# Altium PCB Main_Board.PcbDoc (part 10 of 19)
Units mil, origin at the board's own origin, x right, y up, seen from the top; angles counter-clockwise.
Board outline 5306 x 6610 mil, 12 copper layers ((L1) Top, (L2) Inner 1, (L3) Inner 2, (L4) Inner 3, (L5) Inner 4, (L6) Inner 5, (L7) Inner 6, (L8) Inner 7, (L9) Inner 8, (L10) Inner 9, (L11) Inner 10, (L12) Bottom), stack 94.81 mil thick; 347 components, 571 nets, 2611 pads, 4053 vias.
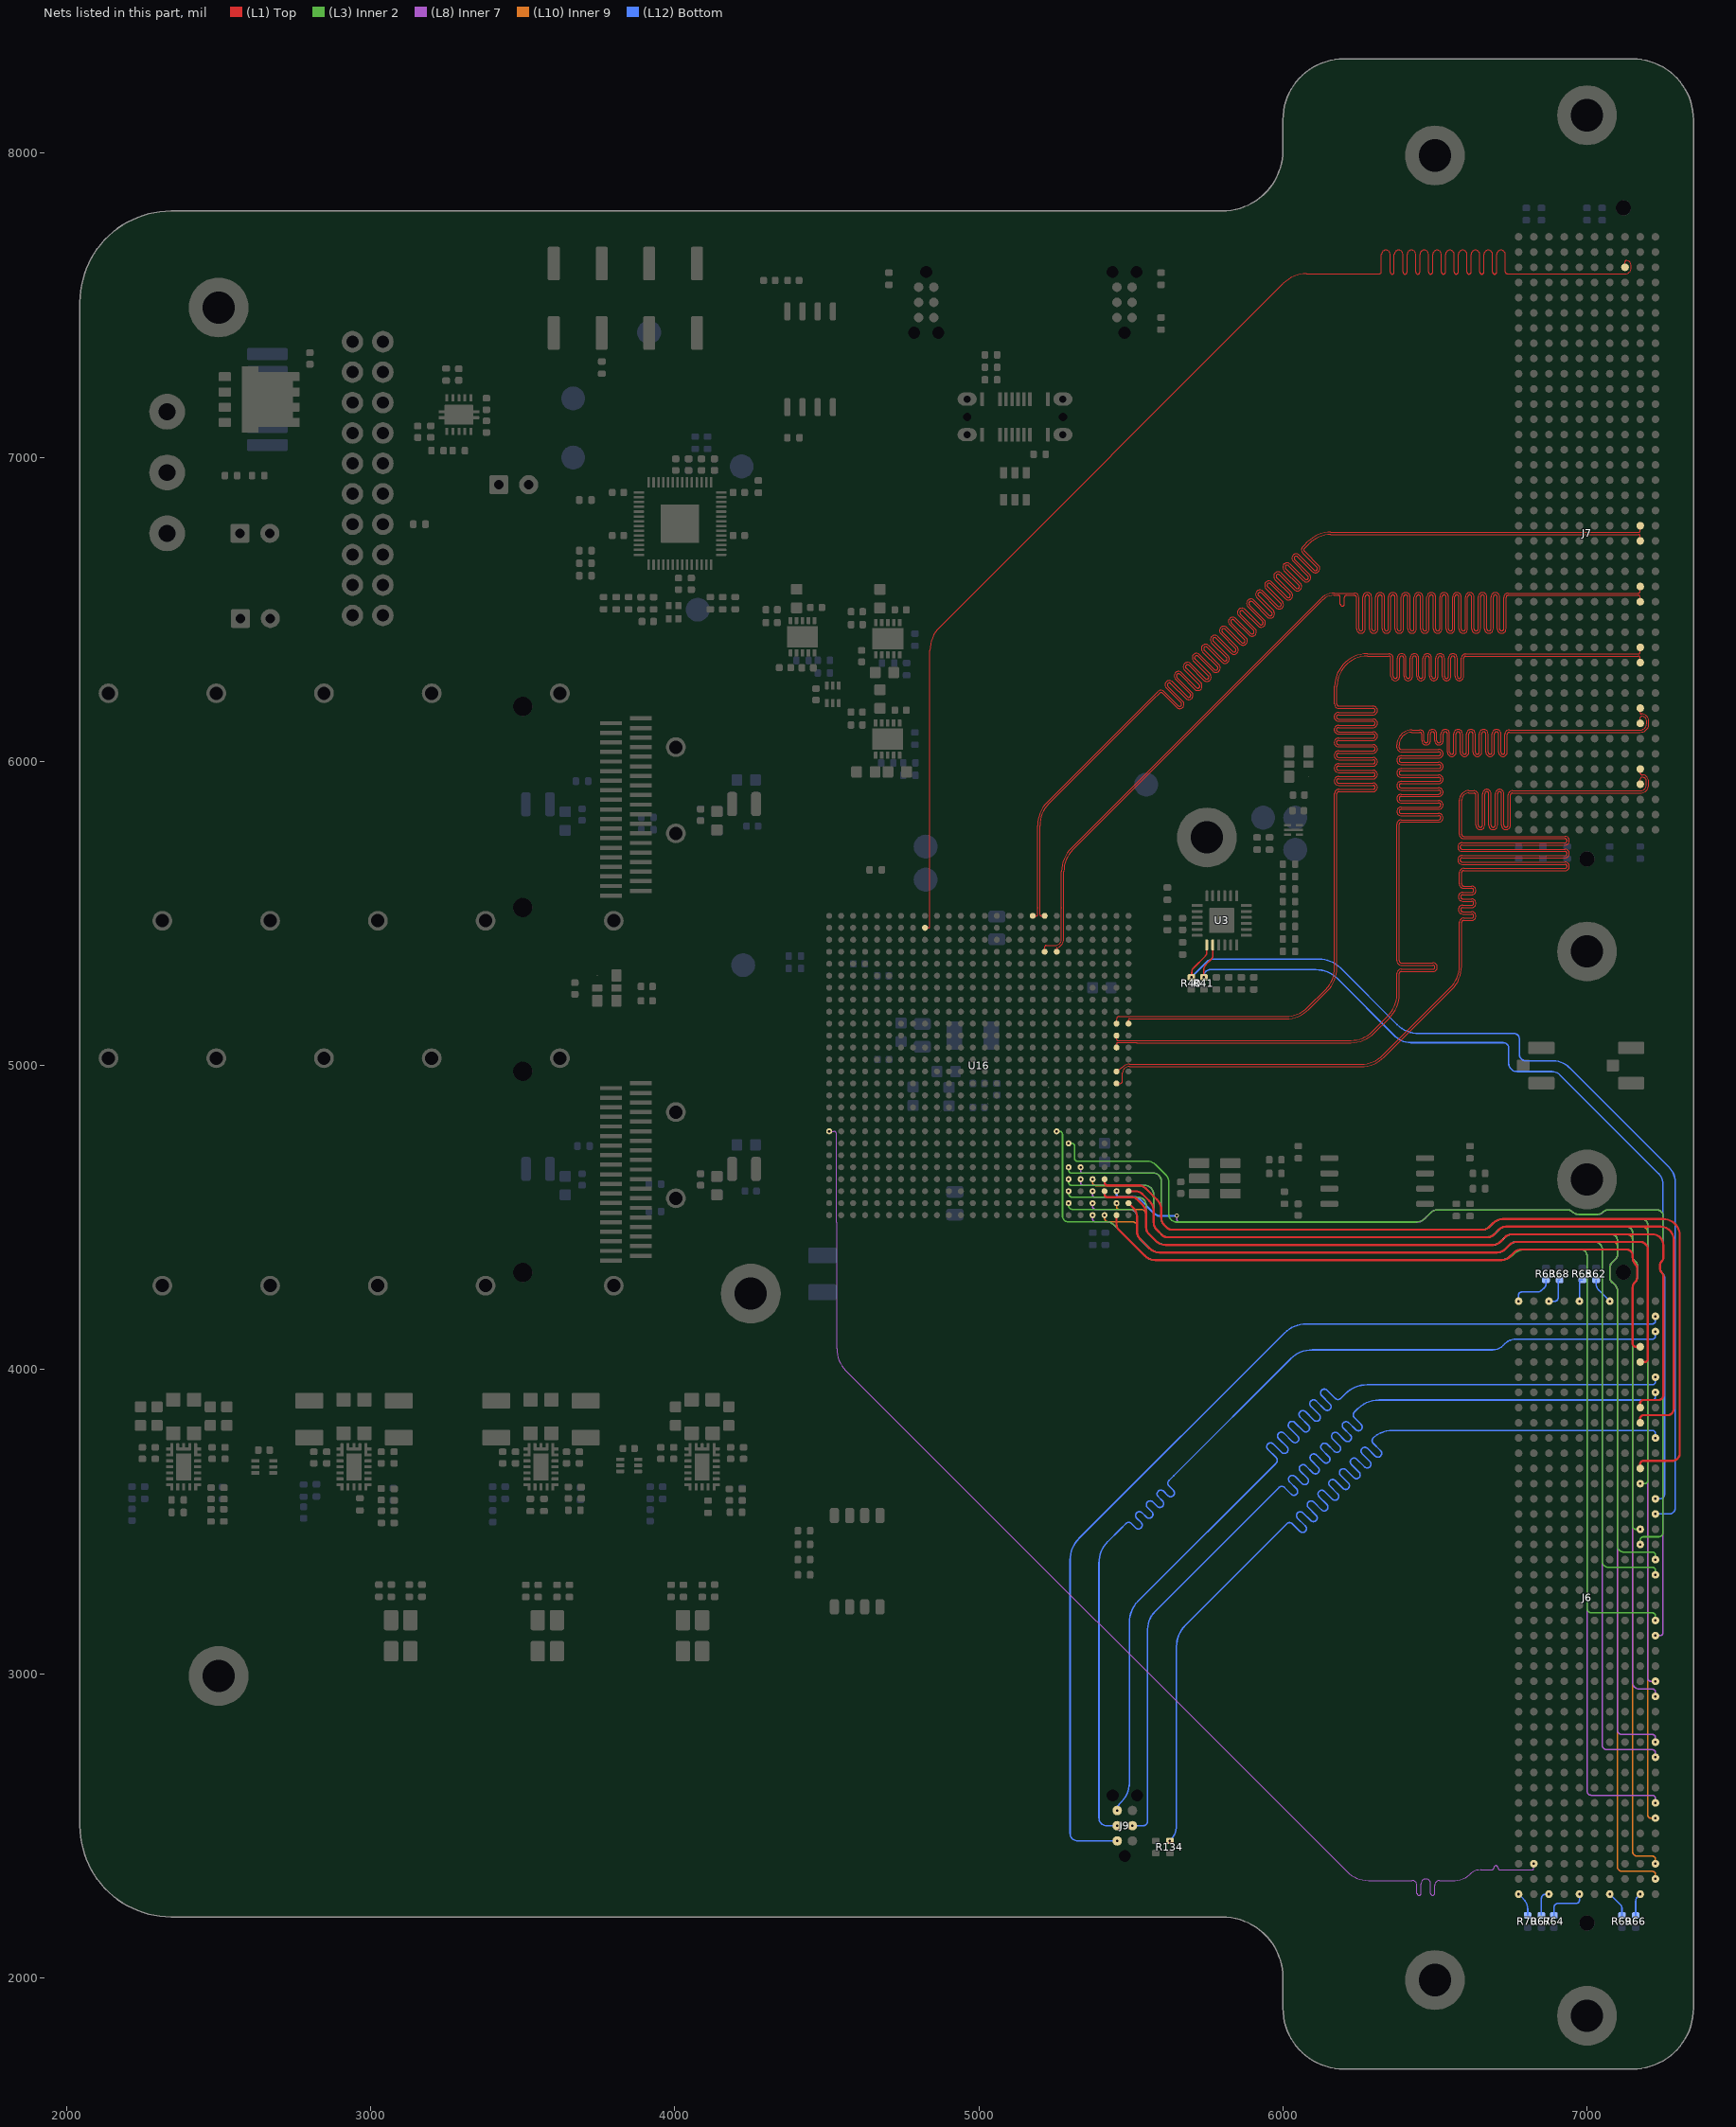
[diagram p20: the nets of this part, all layers, seen from the top]

## Via types
v1: diameter 13.78, hole 7.87, (L1) Top to (L12) Bottom, tented both sides, 4044 vias
v2: diameter 13.78, hole 7.87, (L1) Top to (L12) Bottom, tented bottom, 9 vias

## Nets (pads, with @x,y where several pads share a name; then routed paths per layer and width w, separated by ;. In a path a pad name is that pad's centre, name@x,y a point inside that pad or via, vN(x,y) a via of type N, cw(c..) or ccw(c..) an arc to the next point about the centre after c; other vN are vias at no path point) (continued)
HPCC_A_72_P: J6.J38 U16.W1 | length 3977.9
  (L8) Inner 7 w3.5: v1(4507.87,4783.46) 4523.13,4783.46 cw(c4523.13,4775.24) 4531.35,4775.24 4531.35,4483.77 ccw(c4533.83,4483.77) 4532.07,4482.02 ; 4532.08,4482.02 cw(c4530.32,4480.27) 4532.8,4480.27 4532.8,4068.62 ccw(c4632.8,4068.62) 4562.09,3997.91 6210.71,2349.29 ccw(c6281.42,2420) 6281.42,2320 6406.63,2320 6425.35,2320 cw(c6425.35,2304.45) 6440.9,2304.45 6440.9,2277.73 ccw(c6447.65,2277.73) 6454.4,2277.73 6454.4,2309.14 cw(c6469.95,2309.14) 6485.5,2309.14 6485.5,2277.73 ccw(c6492.25,2277.73) 6499,2277.73 6499,2304.45 cw(c6514.55,2304.45) 6514.55,2320 6520.7,2320 6565.72,2320 ccw(c6565.72,2388.28) 6614,2340 cw(c6649.73,2304.27) 6649.73,2354.8 6685.08,2354.8 6686.83,2354.8 ccw(c6686.83,2361.55) 6693.58,2361.55 6693.58,2361.83 cw(c6700.33,2361.83) 6707.08,2361.83 6707.08,2361.55 ccw(c6713.83,2361.55) 6713.83,2354.8 6724.08,2354.8 6820,2354.8 ccw(c6820,2359.8) 6825,2359.8 v1(6825,2375)
HPCC_A_GP01: J6.A18 U16.AD21 | length 3135.7
  (L3) Inner 2 w5: v1(5295.28,4586.61) 5295.28,4578.72 ccw(c5307,4578.72) 5307,4567 5523,4567 cw(c5523,4540) 5550,4540 5550,4469.14 ccw(c5584.14,4469.14) 5560,4445 5580.86,4424.14 ccw(c5615,4458.28) 5615,4410 6683.79,4410 ccw(c6683.79,4461.21) 6719.99,4424.99 6725.86,4430.86 cw(c6760,4396.72) 6760,4445 7080,4445 cw(c7080,4425) 7100,4425 7100,4377.07 cw(c7082.93,4377.07) 7095,4365 7082.07,4352.07 ccw(c7099.14,4335) 7075,4335 7075,4302.07 ccw(c7092.07,4302.07) 7080,4290 7092.93,4277.07 cw(c7075.86,4260) 7100,4260 7100,3420 ccw(c7120,3420) 7120,3400 7215,3400 cw(c7215,3390) 7225,3390 v1(7225,3375)
HPCC_A_GP02: J6.A19 U16.AE21 | length 3124.1
  (L3) Inner 2 w5: v1(5295.28,4547.24) 5295.28,4538.72 ccw(c5307,4538.72) 5307,4527 5498,4527 cw(c5498,4505) 5520,4505 5520,4454.14 ccw(c5554.14,4454.14) 5530,4430 5560.86,4399.14 ccw(c5595,4433.28) 5595,4385 6705.86,4385 ccw(c6705.86,4419.14) 6730,4395 6740.86,4405.86 cw(c6775,4371.72) 6775,4420 7025,4420 cw(c7025,4395) 7050,4395 7050,3370 ccw(c7070,3370) 7070,3350 7215,3350 cw(c7215,3340) 7225,3340 v1(7225,3325)
HPCC_A_GP03: J6.A22 U16.W20 | length 3512.9
  (L3) Inner 2 w5: v1(5255.91,4783.46) 5265.54,4783.46 cw(c5265.54,4774) 5275,4774 5275,4505 ccw(c5294,4505) 5294,4486 5418.44,4486 cw(c5418.44,4448.44) 5445,4475 5545.86,4374.14 ccw(c5580,4408.28) 5580,4360 6711.72,4360 ccw(c6711.72,4428.28) 6760,4380 cw(c6796.21,4343.79) 6796.21,4395 6980,4395 cw(c6980,4375) 7000,4375 7000,3215 ccw(c7015,3215) 7015,3200 7215,3200 cw(c7215,3190) 7225,3190 v1(7225,3175)
HPCC_A_GP04: J6.A23 U16.AD25 | length 3292.8
  (L8) Inner 7 w5: v1(5651.25,4505.52) 5651.25,4493.75 ccw(c5660,4493.75) 5660,4485 6440.86,4485 ccw(c6440.86,4519.14) 6465,4495 6487.93,4517.93 cw(c6505,4500.86) 6505,4525 6937.93,4525 cw(c6937.93,4507.93) 6950,4520 ccw(c6974.14,4544.14) 6974.14,4510 7035,4510 ccw(c7035,4534.14) 7052.07,4517.07 7052.93,4517.93 cw(c7070,4500.86) 7070,4525 7230,4525 cw(c7230,4505) 7250,4505 7250,4367.07 cw(c7232.93,4367.07) 7245,4355 ccw(c7257.07,4342.93) 7240,4342.93 7240,4332.07 ccw(c7257.07,4332.07) 7245,4320 cw(c7232.93,4307.93) 7250,4307.93 7250,3135 cw(c7240,3135) 7240,3125 v1(7225,3125)
  (L12) Bottom w7: v1(5452.76,4586.61) 5452.76,4576.24 ccw(c5462,4576.24) 5462,4567 5512,4567 cw(c5512,4540.44) 5530.78,4559.22 5576.61,4513.39 ccw(c5596.81,4533.5) 5596.81,4505 5596.86,4505 5650,4505 cw(c5651.25,4503.75) v1(5651.25,4505.52)
HPCC_A_GP05: J6.A26 U16.AB22 | length 3582.3
  (L8) Inner 7 w5: v1(5334.65,4665.35) 5334.65,4653.35 ccw(c5342,4653.35) 5342,4646 5574,4646 cw(c5574,4620) 5600,4620 5600,4499.14 ccw(c5634.14,4499.14) 5610,4475 5617.93,4467.07 ccw(c5635,4484.14) 5635,4460 6655.86,4460 ccw(c6655.86,4494.14) 6680,4470 6690.86,4480.86 cw(c6725,4446.72) 6725,4495 7180,4495 cw(c7180,4475) 7200,4475 7200,2985 ccw(c7210,2985) 7210,2975 v1(7225,2975)
HPCC_A_GP06: J6.A27 U16.AC22 | length 3585.8
  (L8) Inner 7 w5: v1(5334.65,4625.98) 5334.65,4614.35 ccw(c5343,4614.35) 5343,4606 5544,4606 cw(c5544,4575) 5575,4575 5575,4484.14 ccw(c5609.14,4484.14) 5585,4460 5602.93,4442.07 ccw(c5620,4459.14) 5620,4435 6670.86,4435 ccw(c6670.86,4469.14) 6695,4445 6709.39,4459.39 cw(c6735,4433.79) 6735,4470 7130,4470 cw(c7130,4450) 7150,4450 7150,4372.07 ccw(c7167.07,4372.07) 7155,4360 7161.46,4353.54 cw(c7152.93,4345) 7165,4345 7165,4302.07 cw(c7147.93,4302.07) 7160,4290 7157.07,4287.07 ccw(c7174.14,4270) 7150,4270 7150,2970 ccw(c7170,2970) 7170,2950 7215,2950 cw(c7215,2940) 7225,2940 v1(7225,2925)
HPCC_A_GP07: J6.A30 U16.AD23 | length 3662.7
  (L8) Inner 7 w5: v1(5374.02,4586.61) 5374.02,4573.98 ccw(c5381,4573.98) 5381,4567 5523,4567 cw(c5523,4540) 5550,4540 5550,4469.14 ccw(c5584.14,4469.14) 5560,4445 5580.86,4424.14 ccw(c5615,4458.28) 5615,4410 6690.86,4410 ccw(c6690.86,4444.14) 6715,4420 6729.39,4434.39 cw(c6755,4408.79) 6755,4445 7080,4445 cw(c7080,4425) 7100,4425 7100,4377.07 cw(c7082.93,4377.07) 7095,4365 7082.07,4352.07 ccw(c7099.14,4335) 7075,4335 7075,4302.07 ccw(c7092.07,4302.07) 7080,4290 7092.93,4277.07 cw(c7075.86,4260) 7100,4260 7100,2814.33 ccw(c7114.33,2814.33) 7114.33,2800 7215,2800 cw(c7215,2790) 7225,2790 v1(7225,2775)
HPCC_A_GP08: J6.A31 U16.AE23 | length 3647.5
  (L8) Inner 7 w5: v1(5374.02,4547.24) 5374.02,4535.98 ccw(c5383,4535.98) 5383,4527 5494,4527 cw(c5494,4501) 5520,4501 5520,4454.14 ccw(c5554.14,4454.14) 5530,4430 5560.86,4399.14 ccw(c5595,4433.28) 5595,4385 6705.86,4385 ccw(c6705.86,4419.14) 6730,4395 6744.39,4409.39 cw(c6770,4383.79) 6770,4420 7025,4420 cw(c7025,4395) 7050,4395 7050,2765 ccw(c7065,2765) 7065,2750 7215,2750 cw(c7215,2740) 7225,2740 v1(7225,2725)
HPCC_A_GP09: J6.A34 U16.AF23 | length 3728.4
  (L8) Inner 7 w5: v1(5374.02,4507.87) 5374.02,4494.98 ccw(c5383,4494.98) 5383,4486 5418.44,4486 cw(c5418.44,4448.44) 5445,4475 5545.86,4374.14 ccw(c5580,4408.28) 5580,4360 6713.79,4360 ccw(c6713.79,4411.21) 6749.99,4374.99 6755.86,4380.86 cw(c6790,4346.72) 6790,4395 6980,4395 cw(c6980,4375) 7000,4375 7000,2615 ccw(c7015,2615) 7015,2600 7215,2600 cw(c7215,2590) 7225,2590 v1(7225,2575)
HPCC_A_GP10: J6.A35 U16.AC23 | length 3934.8
  (L10) Inner 9 w5: v1(5374.02,4625.98) 5374.02,4615.98 ccw(c5385,4615.98) 5385,4605 5525.86,4605 cw(c5525.86,4570.86) 5550,4595 5567.93,4577.07 cw(c5550.86,4560) 5575,4560 5575,4484.14 ccw(c5609.14,4484.14) 5585,4460 5602.93,4442.07 ccw(c5620,4459.14) 5620,4435 6670.86,4435 ccw(c6670.86,4469.14) 6695,4445 6709.39,4459.39 cw(c6735,4433.79) 6735,4470 7180,4470 cw(c7180,4450) 7200,4450 7200,2535 ccw(c7210,2535) 7210,2525 v1(7225,2525)
HPCC_A_GP11: J6.A38 U16.AE25 | length 3940.2
  (L10) Inner 9 w5: v1(5452.76,4547.24) 5452.76,4534.24 ccw(c5460,4534.24) 5460,4527 5533,4527 cw(c5533,4510) 5550,4510 5550,4469.14 ccw(c5584.14,4469.14) 5560,4445 5580.86,4424.14 ccw(c5615,4458.28) 5615,4410 6690.86,4410 ccw(c6690.86,4444.14) 6715,4420 6729.39,4434.39 cw(c6755,4408.79) 6755,4445 7130,4445 cw(c7130,4425) 7150,4425 7150,4372.07 ccw(c7167.07,4372.07) 7155,4360 7157.93,4357.07 cw(c7140.86,4340) 7165,4340 7165,4302.07 cw(c7147.93,4302.07) 7160,4290 7157.07,4287.07 ccw(c7174.14,4270) 7150,4270 7150,2415 ccw(c7165,2415) 7165,2400 7215,2400 cw(c7215,2390) 7225,2390 v1(7225,2375)
HPCC_A_GP12: J6.A39 U16.AF24 | length 3994.2
  (L10) Inner 9 w5: v1(5413.39,4507.87) 5413.39,4497.61 ccw(c5425,4497.61) 5425,4486 5505.86,4486 cw(c5505.86,4471.86) 5520,4471.86 5520,4454.14 ccw(c5554.14,4454.14) 5530,4430 5560.86,4399.14 ccw(c5595,4433.28) 5595,4385 6705.86,4385 ccw(c6705.86,4419.14) 6730,4395 6744.39,4409.39 cw(c6770,4383.79) 6770,4420 7085,4420 cw(c7085,4405) 7100,4405 7100,4377.07 cw(c7082.93,4377.07) 7095,4365 7082.07,4352.07 ccw(c7099.14,4335) 7075,4335 7075,4302.07 ccw(c7092.07,4302.07) 7080,4290 7092.93,4277.07 cw(c7075.86,4260) 7100,4260 7100,2364.85 ccw(c7114.85,2364.85) 7114.85,2350 7215,2350 cw(c7215,2340) 7225,2340 v1(7225,2325)
HPCC_A_GP13: J6.B4 U16.AF25 | length 2131.2
  (L1) Top w7: U16.AF25@5452.76,4507.87 5452.76,4477.49 ccw(c5477.49,4477.49) 5459.99,4460.01 5545.86,4374.14 ccw(c5580,4408.28) 5580,4360 6719.21,4360 ; 6719.25,4360 ccw(c6719.25,4398.03) 6746.16,4371.16 6760.51,4385.51 cw(c6783.39,4362.68) 6783.39,4395 7130,4395 cw(c7130,4375) 7150,4375 7150,4369.14 ccw(c7184.14,4369.14) 7160,4345 cw(c7147.93,4332.93) 7165,4332.93 7165,4302.07 cw(c7147.93,4302.07) 7160,4290 7157.07,4287.07 ccw(c7174.14,4270) 7150,4270 7150,4085 ccw(c7160,4085) 7160,4075 J6.B4@7175,4075
HPCC_A_GP14: J6.B5 U16.AE26 | length 2232.6
  (L1) Top w7: U16.AE26@5492.13,4547.24 5509.84,4529.53 ; 5509.85,4529.52 cw(c5485.31,4505) 5520,4505 5520,4454.14 ccw(c5554.14,4454.14) 5530,4430 5560.86,4399.14 ccw(c5595,4433.28) 5595,4385 6702.8,4385 ; 6702.84,4385 ccw(c6702.84,4426.44) 6732.16,4397.16 6745.86,4410.86 cw(c6767.93,4388.79) 6767.93,4420 7174.4,4420 cw(c7174.4,4394.4) 7200,4394.4 7200,4035 cw(c7190,4035) 7190,4025 J6.B5@7175,4025
HPCC_A_GP15: J6.B8 U16.AD24 | length 2593.6
  (L1) Top w7: U16.AD24@5413.39,4586.61 5413.39,4575.61 ccw(c5422,4575.61) 5422,4567 5503.1,4567 cw(c5503.1,4543.1) 5520,4560 5539.39,4540.61 cw(c5513.79,4515) 5550,4515 5550,4467.74 ; 5550,4467.71 ccw(c5580.67,4467.71) 5558.98,4446.02 5559.03,4445.97 5580.86,4424.14 ccw(c5615,4458.28) 5615,4410 6690.86,4410 ccw(c6690.86,4444.14) 6715,4420 6730.99,4435.99 cw(c6752.7,4414.33) 6752.7,4445 7215,4445 cw(c7215,4408.95) 7251.05,4408.95 7251.05,4369.61 cw(c7230.39,4369.61) 7245,4355 ccw(c7257.07,4342.93) 7240,4342.93 7240,4332.07 ccw(c7257.07,4332.07) 7245,4320 cw(c7230.4,4305.4) 7251.05,4305.4 7251.05,3915.82 cw(c7235,3916.05) 7235,3900 7185,3900 ccw(c7185,3890) 7175,3890 J6.B8@7175,3875
HPCC_A_GP16: J6.B9 U16.AD26 | length 2626.3
  (L1) Top w7: U16.AD26@5492.13,4586.61 5516,4586.61 cw(c5516,4556.71) 5537.14,4577.86 5560.86,4554.14 cw(c5526.72,4520) 5575,4520 5575,4484.14 ccw(c5609.14,4484.14) 5585,4460 5602.93,4442.07 ccw(c5620,4459.14) 5620,4435 6672.89,4435 ; 6672.93,4435 ccw(c6672.93,4464.84) 6694.03,4443.74 6711.08,4460.79 cw(c6733.23,4438.75) 6733.23,4470 7241.93,4470 cw(c7241.93,4426.93) 7285,4427.08 7285,3870 cw(c7265,3870) 7265,3850 7185,3850 ccw(c7185,3840) 7175,3840 J6.B9@7175,3825
HPCC_A_GP17: J6.B12 U16.AC24 | length 2919.7
  (L1) Top w7: U16.AC24@5413.39,4625.98 5413.39,4615.61 ccw(c5423,4615.61) 5423,4606 5523.44,4606 cw(c5523.44,4568.44) 5550,4595 5585.86,4559.14 cw(c5551.72,4525) 5600,4525 5600,4499.14 ccw(c5634.14,4499.14) 5610,4475 5617.93,4467.07 ccw(c5635,4484.14) 5635,4460 6655.86,4460 ccw(c6655.86,4494.14) 6680,4470 6691.81,4481.81 cw(c6723.56,4450.19) 6723.56,4495 6723.61,4495 7250.71,4495 cw(c7250.71,4440.71) 7305,4440.71 7305,3725 cw(c7280,3725) 7280,3700 7185,3700 ccw(c7185,3690) 7175,3690 J6.B12@7175,3675
HPCC_A_GP18: J6.B13 U16.AB21 | length 2970.9
  (L3) Inner 2 w5: v1(5295.28,4665.35) 5295.28,4655.72 ccw(c5305,4655.72) 5305,4646 5574.61,4646 cw(c5574.61,4620.61) 5600,4620.61 5600,4499.14 ccw(c5634.14,4499.14) 5610,4475 5617.93,4467.07 ccw(c5635,4484.14) 5635,4460 6655.86,4460 ccw(c6655.86,4494.14) 6680,4470 6690.86,4480.86 cw(c6725,4446.72) 6725,4495 7180,4495 cw(c7180,4475) 7200,4475 7200,3635 cw(c7190,3635) 7190,3625 v1(7175,3625)
HPCC_A_GP19: J6.B16 U16.AC21 | length 3032
  (L3) Inner 2 w5: v1(5295.28,4625.98) 5295.28,4615.72 ccw(c5305,4615.72) 5305,4606 5545.65,4606 cw(c5545.65,4576.65) 5575,4576.65 5575,4485 ccw(c5611.21,4485) 5585.61,4459.39 5599.39,4445.61 ccw(c5625,4471.21) 5625,4435 6663.79,4435 ccw(c6663.79,4486.21) 6699.99,4449.99 6709.39,4459.39 cw(c6735,4433.79) 6735,4470 7130,4470 cw(c7130,4450) 7150,4450 7150,4372.07 ccw(c7167.07,4372.07) 7155,4360 7160.55,4354.45 7160.59,4354.41 cw(c7149.94,4343.76) 7165,4343.78 ; 7165,4343.73 7165,4302.07 cw(c7147.93,4302.07) 7160.01,4290.01 ccw(c7184.14,4265.86) 7150,4265.86 7150,3485 ccw(c7160,3485) 7160,3475 v1(7175,3475)
HPCC_A_GP20: J6.B17 U16.Y21 | length 3342.4
  (L3) Inner 2 w5: v1(5295.28,4744.09) 5305.91,4744.09 cw(c5305.91,4735) 5315,4735 5315,4694 ccw(c5324,4694) 5324,4685 5555,4685 cw(c5555,4648.79) 5580.61,4674.39 5615,4640 cw(c5590.86,4615.86) 5625,4615.86 5625,4510.71 ; 5625,4510.67 ccw(c5650.93,4510.67) 5637.47,4488.51 ccw(c5650,4509.14) 5650,4485 6437.56,4485 ; 6437.59,4485 ccw(c6437.59,4527.03) 6467.33,4497.33 6485.89,4515.89 cw(c6507.86,4493.95) 6507.86,4525 ; 6507.89,4525 6937.93,4525 cw(c6937.93,4507.93) 6950,4520 ccw(c6974.14,4544.14) 6974.14,4510 7030.86,4510 ccw(c7030.86,4544.14) 7055,4520 cw(c7067.07,4507.93) 7067.07,4525 7230,4525 cw(c7230,4505) 7250,4505 7250,4367.07 cw(c7232.93,4367.07) 7245,4355 ccw(c7257.07,4342.93) 7240,4342.93 7240,4332.07 ccw(c7257.07,4332.07) 7245,4320 cw(c7232.93,4307.93) 7250,4307.93 7250,3465 cw(c7235,3465) 7235,3450 7185,3450 ccw(c7185,3440) 7175,3440 v1(7175,3425)
HPCC_A_I2C_SCL: J6.A14 R41.1 U3.2 | length 3032.8
  (L1) Top w5: v1(5740,5290.08) 5740,5315 cw(c5764.14,5315) 5747.07,5332.07 5765,5350 ccw(c5754.91,5360.09) 5769.18,5360.09 U3.2@5769.18,5396.45
  (L12) Bottom w5: v1@5740,5295 cw(c5760,5295) 5760,5315 6108.58,5315 cw(c6108.58,5215) 6179.29,5285.71 6368.79,5096.21 ccw(c6420,5147.43) 6420,5075 6725,5075 cw(c6725,5057.58) 6742.42,5057.58 6742.42,5007.58 ccw(c6770,5007.58) 6770,4980 6885,4980 cw(c6885,4943.79) 6910.61,4969.39 7235,4645 cw(c7198.79,4608.79) 7250,4608.79 7250,4367.07 cw(c7232.93,4367.07) 7245,4355 ccw(c7257.07,4342.93) 7240,4342.93 7240,4335 ccw(c7264.14,4335) 7247.07,4317.93 7250,4315 cw(c7237.93,4302.93) 7255,4302.93 7255,3590 cw(c7240,3590) 7240,3575 v1(7225,3575)
HPCC_A_I2C_SDA: J6.A15 R40.1 U3.1 | length 3230
  (L1) Top w5: v1(5698.97,5290.08) ccw(c5696.47,5292.57) 5700,5292.57 5700,5305 cw(c5724.14,5305) 5707.07,5322.07 5745,5360 ccw(c5734.15,5370.85) 5749.5,5370.85 U3.1@5749.5,5396.45
  (L12) Bottom w5: v1(5698.97,5290.08) 5698.97,5290.75 5750.49,5342.27 cw(c5769.14,5323.62) 5769.14,5350 6118.58,5350 cw(c6118.58,5250) 6189.29,5320.71 6375.71,5134.29 ccw(c6446.42,5205) 6446.42,5105 6760,5105 cw(c6760,5087.35) 6777.65,5087.35 6777.65,5036.77 ccw(c6799.42,5036.77) 6799.42,5015 6890,5015 cw(c6890,4942.57) 6941.21,4993.79 7269.39,4665.61 cw(c7219.64,4615.86) 7290,4615.86 7290,3545 cw(c7270,3545) 7270,3525 v1(7225,3525)
HPCC_A_JTAG_TCK: J6.A3 J9.4 | length 3356
  (L12) Bottom w5: v1(5455,2500) 5420,2500 cw(c5420,2525) 5395,2525 5395,3363.58 cw(c5495,3363.58) 5424.29,3434.29 5464.38,3474.38 5483.82,3493.82 cw(c5492.66,3484.98) 5501.5,3493.82 5515.76,3479.56 ccw(c5524.6,3488.4) 5533.43,3479.56 ccw(c5524.6,3488.4) 5533.43,3497.24 5519.11,3511.56 cw(c5527.95,3520.4) 5519.11,3529.24 cw(c5527.95,3520.4) 5536.79,3529.24 5551.11,3514.92 ccw(c5559.95,3523.76) 5568.79,3514.92 ccw(c5559.95,3523.76) 5568.79,3532.6 5554.47,3546.92 cw(c5563.31,3555.76) 5554.47,3564.6 cw(c5563.31,3555.76) 5572.15,3564.6 5586.47,3550.27 ccw(c5595.31,3559.11) 5604.15,3550.27 ccw(c5595.31,3559.11) 5604.15,3567.95 5589.82,3582.27 cw(c5598.66,3591.11) 5589.82,3599.95 cw(c5598.66,3591.11) 5607.5,3599.95 5621.82,3585.63 ccw(c5630.66,3594.47) 5639.5,3585.63 ccw(c5630.66,3594.47) 5639.5,3603.31 5625.24,3617.57 cw(c5634.08,3626.4) 5625.24,3635.24 5641.02,3651.02 6025.71,4035.71 cw(c6096.42,3965) 6096.42,4065 6690,4065 ccw(c6690,4113.28) 6724.14,4079.14 6730,4085 cw(c6766.21,4048.79) 6766.21,4100 7215,4100 ccw(c7215,4110) 7225,4110 v1(7225,4125)
HPCC_A_JTAG_TDI: J6.A7 J9.3 | length 3354.1
  (L12) Bottom w5: v1(5505,2500) 5540,2500 ccw(c5540,2515) 5555,2515 5555,3145.65 cw(c5637.93,3145.65) 5579.29,3204.29 5967.88,3592.88 5987.33,3612.33 cw(c5996.17,3603.49) 6005.01,3612.33 6027.15,3590.18 ccw(c6035.99,3599.02) 6044.83,3590.18 ccw(c6035.99,3599.02) 6044.83,3607.86 6022.02,3630.67 ; 6022.03,3630.67 cw(c6030.86,3639.51) 6022.02,3648.35 cw(c6030.86,3639.51) 6039.7,3648.35 6062.51,3625.54 ccw(c6071.35,3634.38) 6080.19,3625.54 ccw(c6071.35,3634.38) 6080.19,3643.22 6057.38,3666.02 cw(c6066.22,3674.86) 6057.38,3683.7 cw(c6066.22,3674.86) 6075.06,3683.7 6097.86,3660.89 ccw(c6106.7,3669.73) 6115.54,3660.89 ccw(c6106.7,3669.73) 6115.54,3678.57 6092.74,3701.38 cw(c6101.57,3710.22) 6092.74,3719.06 cw(c6101.57,3710.22) 6110.41,3719.06 6133.22,3696.25 ccw(c6142.06,3705.09) 6150.9,3696.25 ccw(c6142.06,3705.09) 6150.9,3713.93 6128.09,3736.73 cw(c6136.93,3745.57) 6128.09,3754.41 cw(c6136.93,3745.57) 6145.77,3754.41 6168.58,3731.6 ccw(c6177.41,3740.44) 6186.25,3731.6 ccw(c6177.41,3740.44) 6186.25,3749.28 6163.45,3772.09 cw(c6172.29,3780.93) 6163.45,3789.77 cw(c6172.29,3780.93) 6181.12,3789.77 6203.93,3766.96 ccw(c6212.77,3775.8) 6221.61,3766.96 ccw(c6212.77,3775.8) 6221.61,3784.64 6198.8,3807.44 cw(c6207.64,3816.28) 6198.8,3825.12 cw(c6207.64,3816.28) 6216.48,3825.12 6239.29,3802.32 ccw(c6248.12,3811.15) 6256.96,3802.32 ccw(c6248.12,3811.15) 6256.96,3819.99 6234.82,3842.14 cw(c6243.66,3850.98) 6234.82,3859.82 6245.71,3870.71 6246.02,3871.02 cw(c6316.42,3800) 6247.82,3872.76 cw(c6316.42,3800) 6316.42,3900 7215,3900 ccw(c7215,3910) 7225,3910 v1(7225,3925)
HPCC_A_JTAG_TDO: J6.A6 J9.6 | length 3355.6
  (L12) Bottom w5: v1(5455,2550) cw(c5491.21,2550) 5465.61,2575.61 5470,2580 ccw(c5409.64,2640.36) 5489.34,2609.79 cw(c5520,2600) 5490.26,2612.29 ccw(c5409.64,2640.36) 5495,2640.36 5495,3168.58 cw(c5595,3168.58) 5524.29,3239.29 5976,3691 5977.77,3692.77 ccw(c5968.93,3701.61) 5977.77,3710.45 5950.57,3737.65 cw(c5959.41,3746.49) 5950.57,3755.32 cw(c5959.41,3746.49) 5968.25,3755.32 5995.65,3727.92 ccw(c6004.48,3736.76) 6013.32,3727.92 ccw(c6004.48,3736.76) 6013.32,3745.6 5985.92,3773 cw(c5994.76,3781.84) 5985.92,3790.68 cw(c5994.76,3781.84) 6003.6,3790.68 6031,3763.28 ccw(c6039.84,3772.12) 6048.68,3763.28 ccw(c6039.84,3772.12) 6048.68,3780.96 6021.28,3808.36 cw(c6030.12,3817.2) 6021.28,3826.03 cw(c6030.12,3817.2) 6038.96,3826.03 6066.36,3798.63 ccw(c6075.19,3807.47) 6084.03,3798.63 ccw(c6075.19,3807.47) 6084.03,3816.31 6056.63,3843.71 cw(c6065.47,3852.55) 6056.63,3861.39 cw(c6065.47,3852.55) 6074.31,3861.39 6101.71,3833.99 ccw(c6110.55,3842.83) 6119.39,3833.99 ccw(c6110.55,3842.83) 6119.39,3851.67 6091.99,3879.07 cw(c6100.83,3887.91) 6091.99,3896.75 cw(c6100.83,3887.91) 6109.67,3896.75 6137.07,3869.35 ccw(c6145.91,3878.18) 6154.74,3869.35 ccw(c6145.91,3878.18) 6154.74,3887.02 6127.34,3914.42 cw(c6136.18,3923.26) 6127.34,3932.1 cw(c6136.18,3923.26) 6145.02,3932.1 6172.22,3904.9 ccw(c6181.06,3913.74) 6189.9,3904.9 6205.5,3920.5 6205.71,3920.71 cw(c6276.42,3850) 6276.42,3950 7215,3950 ccw(c7215,3960) 7225,3960 v1(7225,3975)
HPCC_A_JTAG_TMS: J6.A2 J9.2 | length 3350.8
  (L12) Bottom w5: v1(5455,2450) 5325,2450 cw(c5325,2475) 5300,2475 5300,3373.58 cw(c5400,3373.58) 5329.29,3444.29 6005.71,4120.71 cw(c6076.42,4050) 6076.42,4150 7215,4150 ccw(c7215,4160) 7225,4160 v1(7225,4175)
HPCC_A_JTAG_TRST: J6.A10 R134.2 | length 3350.9
  (L12) Bottom w5: v1(5628.28,2450.08) ccw(c5575.85,2502.51) 5650,2502.51 5650,3088.58 cw(c5750,3088.58) 5679.29,3159.29 5993.76,3473.76 6013.21,3493.21 cw(c6022.05,3484.37) 6030.88,3493.21 6056.01,3468.08 ccw(c6064.85,3476.92) 6073.68,3468.08 ccw(c6064.85,3476.92) 6073.68,3485.76 6048.32,3511.13 cw(c6057.16,3519.97) 6048.32,3528.8 cw(c6057.16,3519.97) 6066,3528.8 6091.36,3503.44 ccw(c6100.2,3512.28) 6109.04,3503.44 ccw(c6100.2,3512.28) 6109.04,3521.12 6083.67,3546.48 cw(c6092.51,3555.32) 6083.67,3564.16 cw(c6092.51,3555.32) 6101.35,3564.16 6126.72,3538.8 ccw(c6135.56,3547.63) 6144.39,3538.8 ccw(c6135.56,3547.63) 6144.39,3556.47 6119.03,3581.84 cw(c6127.87,3590.68) 6119.03,3599.52 cw(c6127.87,3590.68) 6136.71,3599.52 6162.07,3574.15 ccw(c6170.91,3582.99) 6179.75,3574.15 ccw(c6170.91,3582.99) 6179.75,3591.83 6154.39,3617.19 cw(c6163.22,3626.03) 6154.39,3634.87 cw(c6163.22,3626.03) 6172.06,3634.87 6197.43,3609.51 ccw(c6206.27,3618.34) 6215.11,3609.51 ccw(c6206.27,3618.34) 6215.11,3627.18 6189.74,3652.55 cw(c6198.58,3661.39) 6189.74,3670.23 cw(c6198.58,3661.39) 6207.42,3670.23 6232.78,3644.86 ccw(c6241.62,3653.7) 6250.46,3644.86 ccw(c6241.62,3653.7) 6250.46,3662.54 6225.1,3687.9 cw(c6233.93,3696.74) 6225.1,3705.58 cw(c6233.93,3696.74) 6242.77,3705.58 6268.14,3680.22 ccw(c6276.98,3689.06) 6285.82,3680.22 ccw(c6276.98,3689.06) 6285.82,3697.89 6260.45,3723.26 cw(c6269.29,3732.1) 6260.45,3740.94 cw(c6269.29,3732.1) 6278.13,3740.94 6303.49,3715.57 ccw(c6312.33,3724.41) 6321.17,3715.57 ccw(c6312.33,3724.41) 6321.17,3733.25 6296.71,3757.71 cw(c6305.55,3766.55) 6297.75,3776.33 6308.23,3784.68 cw(c6361.42,3700) 6310.42,3786.02 cw(c6361.42,3700) 6361.42,3800 7215,3800 cw(c7215,3790) 7225,3790 v1(7225,3775)